# Allegro board gps_interface_boardv51ph_smoothed.brd (continued)
## Routing (per net, layer and track width the routed paths; a pad name or vN(x,y) marks a point on that pad's centre or on a via; arc(x,y) is an arc through that point) (continued)
  SIG w0.203: v1(112.36,54.2) 112.63,53.94 arc(112.8,53.67) 112.86,53.36 112.86,53.26 arc(113.04,52.83) 113.47,52.65 151.08,52.65 arc(151.47,52.73) 151.8,52.95 160.49,61.65 arc(160.69,61.78) 160.92,61.82 195.26,61.82 arc(195.53,61.77) 195.75,61.62 v1(195.99,61.39)
  BOTTOM w0.33: v1(195.99,61.39) 196.38,61.39 arc(196.59,61.43) 196.77,61.55 196.82,61.6 arc(197,61.72) 197.21,61.76 246.32,61.76 arc(246.95,61.89) 247.49,62.24 254.59,69.34 arc(254.95,69.59) 255.38,69.67 279.1,69.67 arc(279.73,69.8) 280.26,70.16 281.66,71.55 arc(282.02,72.09) 282.14,72.72 282.14,79.1 arc(282.19,79.35) 282.33,79.56 v1(282.57,79.8)
CLK_TO_SFP.CLK_TO_SFP_N1: length 185.1
  TOP w0.178: U26.7 260.04,81.91 260.05,81.9 260.05,81.12 260.06,81.11 260.06,81.08
  TOP w0.203: U48.27 116.01,74.38 115.99,74.36
  TOP w0.33: 115.99,74.36 115.99,71.03 arc(115.91,70.6) 115.66,70.24 115.14,69.72 arc(114.78,69.18) 114.66,68.55 114.66,56.83 arc(114.6,56.57) 114.46,56.35 v1(114.22,56.11) ; 260.06,81.08 260.06,80.62 arc(260.11,80.36) 260.25,80.14 v1(260.5,79.9)
  SIG w0.203: v1(114.22,56.11) 114.48,55.84 arc(114.66,55.58) 114.72,55.27 114.72,54.91 arc(114.9,54.48) 115.33,54.31 150.39,54.31 arc(150.78,54.38) 151.11,54.6 160.06,63.55 arc(160.26,63.68) 160.49,63.73 193.84,63.73 arc(194.11,63.68) 194.33,63.53 v1(194.56,63.29)
  BOTTOM w0.33: v1(260.5,79.9) 260.25,79.66 arc(260.11,79.44) 260.06,79.18 260.06,72.85 arc(259.77,72.17) 259.09,71.88 252.38,71.88 arc(251.95,71.8) 251.59,71.55 244.18,64.15 arc(243.65,63.79) 243.02,63.67 195.79,63.67 arc(195.57,63.62) 195.39,63.5 195.35,63.46 arc(195.17,63.34) 194.96,63.29 v1(194.56,63.29)
CLK_TO_SFP.CLK_TO_SFP_N2: length 165.1
  TOP w0.178: U30.7 237.74,81.91 237.74,81.9 237.74,81.12 237.76,81.11 237.76,81.08
  TOP w0.203: 117.49,74.36 117.51,74.38 U48.30
  TOP w0.33: v1(116.12,58.12) 116.36,58.36 arc(116.51,58.58) 116.56,58.83 116.56,68.11 arc(116.68,68.7) 117.01,69.2 117.2,69.39 arc(117.41,69.71) 117.49,70.1 117.49,74.36 ; 237.76,81.08 237.76,80.62 arc(237.81,80.36) 237.95,80.14 v1(238.2,79.9)
  SIG w0.203: v1(116.12,58.12) 116.39,57.85 arc(116.56,57.59) 116.62,57.28 116.62,56.92 arc(116.8,56.49) 117.23,56.31 149.72,56.31 arc(150.11,56.39) 150.44,56.61 159.92,66.09 arc(160.12,66.22) 160.35,66.27 194.88,66.27 arc(195.15,66.22) 195.37,66.07 v1(195.61,65.83)
  BOTTOM w0.33: v1(238.2,79.9) 237.95,79.66 arc(237.81,79.44) 237.76,79.18 237.76,78.1 arc(237.84,77.67) 238.08,77.31 240.56,74.83 arc(240.92,74.29) 241.05,73.66 241.05,68.66 arc(240.92,68.03) 240.56,67.49 239.76,66.69 arc(239.22,66.33) 238.59,66.21 196.83,66.21 arc(196.62,66.16) 196.44,66.04 196.39,66 arc(196.21,65.88) 196,65.83 v1(195.61,65.83)
CLK_TO_SFP.CLK_TO_SFP_N3: length 134.1
  TOP w0.178: U34.7 208.53,81.91 208.53,81.9 208.53,81.12 208.55,81.11 208.55,81.08
  TOP w0.203: U48.34 120.26,76.63 120.28,76.62 120.73,76.62 arc(121.1,76.54) 121.42,76.33
  TOP w0.33: 208.55,81.08 208.55,80.62 arc(208.6,80.36) 208.74,80.14 v1(208.99,79.9) ; 121.42,76.33 121.63,76.11 arc(121.85,75.8) 121.92,75.42 121.92,71.3 arc(121.83,70.87) 121.59,70.51 118.95,67.86 arc(118.59,67.33) 118.47,66.69 118.47,60.59 arc(118.41,60.33) 118.27,60.11 v1(118.03,59.87)
  SIG w0.203: v1(195.05,68.32) 194.81,68.55 arc(194.59,68.7) 194.32,68.76 160.75,68.76 arc(160.51,68.71) 160.31,68.58 150.43,58.69 arc(150.1,58.47) 149.71,58.39 119.14,58.39 arc(118.71,58.57) 118.53,59 118.53,59.03 arc(118.47,59.34) 118.29,59.6 v1(118.03,59.87)
  BOTTOM w0.33: v1(195.05,68.32) 195.44,68.32 arc(195.65,68.37) 195.83,68.49 195.88,68.53 arc(196.06,68.65) 196.27,68.69 209.51,68.69 arc(210.14,68.82) 210.67,69.18 211.38,69.88 arc(211.74,70.42) 211.86,71.05 211.86,73.18 arc(211.74,73.81) 211.38,74.35 208.87,76.85 arc(208.63,77.21) 208.55,77.64 208.55,79.18 arc(208.6,79.44) 208.74,79.66 v1(208.99,79.9)
CLK_TO_SFP.CLK_TO_SFP_N4: length 102.7
  TOP w0.178: 186.25,81.08 186.25,81.11 186.23,81.12 186.23,81.9 186.23,81.91 U38.7
  TOP w0.203: U48.37 119.28,78.16 120,78.16 120.1,78.05 121.47,78.05 121.53,77.99
  TOP w0.33: 186.25,81.08 186.25,80.62 arc(186.3,80.36) 186.44,80.14 v1(186.69,79.9) ; v1(120.16,61.62) 120.4,61.86 arc(120.55,62.08) 120.6,62.34 120.6,66.12 arc(120.68,66.51) 120.9,66.84 123.35,69.29 arc(123.46,69.45) 123.49,69.64 123.49,75.83 arc(123.46,76.01) 123.35,76.17 121.53,77.99
  SIG w0.203: v1(120.16,61.62) 120.43,61.35 arc(120.6,61.09) 120.66,60.78 120.66,60.58 arc(120.84,60.15) 121.27,59.97 149.08,59.97 arc(149.47,60.05) 149.8,60.27 160.2,70.66 arc(160.39,70.79) 160.63,70.84 182.68,70.84 arc(183.07,70.92) 183.4,71.14 185.88,73.63 arc(186.1,73.96) 186.18,74.34 186.18,79.06 arc(186.24,79.37) 186.42,79.63 v1(186.69,79.9)
CLK_TO_SFP.CLK_TO_SFP_N5: length 77.7
  TOP w0.178: U42.7 164.11,81.91 164.11,81.9 164.11,81.12 164.12,81.11 164.12,81.08
  TOP w0.203: U48.41 120.26,80.13 120.28,80.12 121.01,80.12 arc(121.13,80.09) 121.23,80.02 121.35,79.9 122.97,79.9 123.04,79.84
  TOP w0.33: v1(122.78,63.2) 123.02,63.44 arc(123.16,63.66) 123.22,63.91 123.22,65.92 arc(123.29,66.31) 123.51,66.63 124.9,68.02 arc(125.01,68.18) 125.04,68.37 125.04,77.63 arc(125.01,77.82) 124.9,77.97 123.04,79.84 ; v1(164.56,79.9) 164.32,80.14 arc(164.17,80.36) 164.12,80.62 164.12,81.08
  SIG w0.203: v1(122.78,63.2) 123.04,62.93 arc(123.22,62.67) 123.28,62.36 123.28,61.87 arc(123.46,61.44) 123.89,61.26 148.58,61.26 arc(148.96,61.34) 149.29,61.56 163.68,75.95 arc(163.91,76.28) 163.98,76.67 163.98,78.93 arc(164.05,79.29) 164.26,79.6 v1(164.56,79.9)
CLK_TO_SFP.CLK_TO_SFP_P0: length 209.9
  TOP w0.178: 281.6,80.98 281.6,81.8 281.61,81.82 U22.6
  TOP w0.203: U48.24 114.51,74.38 114.52,74.36
  TOP w0.33: v1(281.16,79.8) 281.4,80.04 arc(281.55,80.26) 281.6,80.52 281.6,80.98 ; v1(113.77,54.2) 113.53,54.45 arc(113.39,54.66) 113.33,54.92 113.33,70.05 arc(113.42,70.48) 113.66,70.84 114.04,71.22 arc(114.4,71.75) 114.52,72.38 114.52,74.36
  SIG w0.203: v1(113.77,54.2) 113.48,53.91 arc(113.33,53.68) 113.27,53.4 113.27,53.26 arc(113.33,53.12) 113.47,53.06 151.08,53.06 arc(151.31,53.11) 151.51,53.24 160.2,61.93 arc(160.53,62.15) 160.92,62.23 195.26,62.23 arc(195.53,62.28) 195.75,62.43 v1(195.99,62.66)
  BOTTOM w0.33: v1(281.16,79.8) 281.41,79.55 arc(281.56,79.32) 281.61,79.06 281.61,72.72 arc(281.52,72.29) 281.28,71.93 279.89,70.53 arc(279.52,70.29) 279.1,70.21 255.38,70.21 arc(254.75,70.08) 254.21,69.72 247.11,62.62 arc(246.75,62.38) 246.32,62.29 197.21,62.29 arc(197,62.34) 196.82,62.46 196.77,62.5 arc(196.59,62.62) 196.38,62.66 v1(195.99,62.66)
CLK_TO_SFP.CLK_TO_SFP_P1: length 183.6
  TOP w0.178: 259.52,81.08 259.52,81.9 259.54,81.92 U26.6
  TOP w0.203: 116.52,74.36 116.51,74.38 U48.28
  TOP w0.33: v1(259.08,79.9) 259.33,80.14 arc(259.47,80.36) 259.52,80.62 259.52,81.08 ; v1(115.63,56.11) 115.39,56.35 arc(115.24,56.57) 115.19,56.83 115.19,68.55 arc(115.27,68.98) 115.52,69.34 116.04,69.86 arc(116.4,70.4) 116.52,71.03 116.52,74.36
  SIG w0.203: v1(194.56,64.57) 194.33,64.34 arc(194.11,64.19) 193.84,64.14 160.49,64.14 arc(160.1,64.06) 159.77,63.84 150.83,54.89 arc(150.63,54.76) 150.39,54.71 115.33,54.71 arc(115.19,54.77) 115.13,54.91 115.13,55.27 arc(115.19,55.58) 115.36,55.84 v1(115.63,56.11)
  BOTTOM w0.33: v1(194.56,64.57) 194.96,64.57 arc(195.17,64.53) 195.35,64.41 195.39,64.36 arc(195.57,64.24) 195.79,64.2 243.02,64.2 arc(243.44,64.28) 243.81,64.53 251.21,71.93 arc(251.75,72.29) 252.38,72.42 259.09,72.42 arc(259.4,72.54) 259.52,72.85 259.52,79.18 arc(259.47,79.44) 259.33,79.66 v1(259.08,79.9)
CLK_TO_SFP.CLK_TO_SFP_P2: length 163.6
  TOP w0.178: 237.22,81.08 237.22,81.9 237.24,81.92 U30.6
  TOP w0.203: U48.31 118.01,74.38 118.02,74.36
  TOP w0.33: v1(117.53,58.12) 117.29,58.36 arc(117.15,58.58) 117.09,58.83 117.09,68.11 arc(117.17,68.5) 117.39,68.82 117.57,69.01 arc(117.91,69.51) 118.02,70.1 118.02,74.36 ; 237.22,81.08 237.22,80.62 arc(237.17,80.36) 237.03,80.14 v1(236.78,79.9)
  SIG w0.203: v1(195.61,67.11) 195.37,66.88 arc(195.15,66.73) 194.88,66.67 160.35,66.67 arc(159.96,66.6) 159.63,66.38 150.15,56.9 arc(149.95,56.76) 149.72,56.72 117.23,56.72 arc(117.09,56.78) 117.03,56.92 117.03,57.28 arc(117.09,57.59) 117.27,57.85 v1(117.53,58.12)
  BOTTOM w0.33: v1(195.61,67.11) 196,67.11 arc(196.21,67.07) 196.39,66.95 196.44,66.9 arc(196.62,66.78) 196.83,66.74 238.59,66.74 arc(239.02,66.82) 239.38,67.07 240.19,67.87 arc(240.43,68.23) 240.51,68.66 240.51,73.66 arc(240.43,74.09) 240.19,74.45 237.71,76.93 arc(237.35,77.47) 237.22,78.1 237.22,79.18 arc(237.17,79.44) 237.03,79.66 v1(236.78,79.9)
CLK_TO_SFP.CLK_TO_SFP_P3: length 133.5
  TOP w0.178: U34.6 208.03,81.92 208.01,81.9 208.01,81.08
  TOP w0.203: 121.35,77.15 120.28,77.15 120.26,77.13 U48.35
  TOP w0.33: v1(119.44,59.87) 119.2,60.11 arc(119.05,60.33) 119,60.59 119,66.69 arc(119.08,67.12) 119.33,67.49 121.97,70.13 arc(122.33,70.66) 122.45,71.3 122.45,75.42 arc(122.34,76) 122.01,76.49 121.35,77.15 ; v1(207.57,79.9) 207.82,80.14 arc(207.96,80.36) 208.01,80.62 208.01,81.08
  SIG w0.203: v1(195.05,69.6) 194.81,69.37 arc(194.59,69.22) 194.32,69.16 160.75,69.16 arc(160.36,69.09) 160.03,68.87 150.14,58.98 arc(149.94,58.85) 149.71,58.8 119.14,58.8 arc(119,58.86) 118.94,59 118.94,59.1 arc(118.98,59.34) 119.12,59.55 v1(119.44,59.87)
  BOTTOM w0.33: v1(207.57,79.9) 207.82,79.66 arc(207.96,79.44) 208.01,79.18 208.01,77.64 arc(208.14,77.01) 208.5,76.47 211,73.97 arc(211.24,73.61) 211.33,73.18 211.33,71.05 arc(211.24,70.62) 211,70.26 210.3,69.56 arc(209.93,69.31) 209.51,69.23 196.27,69.23 arc(196.06,69.27) 195.88,69.39 195.83,69.44 arc(195.65,69.56) 195.44,69.6 v1(195.05,69.6)
CLK_TO_SFP.CLK_TO_SFP_P4: length 102.2
  TOP w0.178: 185.71,81.08 185.71,81.9 185.73,81.92 U38.6
  TOP w0.203: 121.82,78.46 120.27,78.46 120.17,78.56 119.33,78.56 U48.38
  TOP w0.33: v1(121.57,61.62) 121.33,61.86 arc(121.18,62.08) 121.13,62.34 121.13,66.12 arc(121.17,66.3) 121.27,66.46 123.73,68.92 arc(123.95,69.25) 124.03,69.64 124.03,75.83 arc(123.95,76.22) 123.73,76.55 121.82,78.46 ; 185.71,81.08 185.71,80.62 arc(185.66,80.36) 185.52,80.14 v1(185.27,79.9)
  SIG w0.203: v1(121.57,61.62) 121.31,61.35 arc(121.13,61.09) 121.07,60.78 121.07,60.58 arc(121.13,60.44) 121.27,60.38 149.08,60.38 arc(149.32,60.42) 149.51,60.55 159.91,70.95 arc(160.24,71.17) 160.63,71.25 182.68,71.25 arc(182.91,71.29) 183.11,71.43 185.6,73.91 arc(185.73,74.11) 185.78,74.34 185.78,79.06 arc(185.71,79.37) 185.54,79.63 v1(185.27,79.9)
CLK_TO_SFP.CLK_TO_SFP_P5: length 77.3
  TOP w0.178: U42.6 163.61,81.92 163.59,81.9 163.59,81.08
  TOP w0.203: 123.41,80.22 123.4,80.24 123.31,80.24 123.23,80.31 122.97,80.31 122.84,80.31 121.52,80.31 121.33,80.49 arc(121.16,80.61) 120.96,80.65 120.28,80.65 120.26,80.63 U48.42
  TOP w0.33: 163.59,81.08 163.59,80.62 arc(163.54,80.36) 163.39,80.14 v1(163.15,79.9) ; 123.41,80.22 125.28,78.35 arc(125.5,78.02) 125.58,77.63 125.58,68.37 arc(125.5,67.98) 125.28,67.65 123.89,66.26 arc(123.79,66.1) 123.75,65.92 123.75,63.91 arc(123.8,63.66) 123.95,63.44 v1(124.19,63.2)
  SIG w0.203: v1(163.15,79.9) 163.38,79.67 arc(163.52,79.45) 163.58,79.19 163.58,76.67 arc(163.53,76.44) 163.4,76.24 149.01,61.85 arc(148.81,61.72) 148.58,61.67 123.89,61.67 arc(123.74,61.73) 123.69,61.87 123.69,62.36 arc(123.75,62.67) 123.92,62.93 v1(124.19,63.2)
CML_SFP_TD_N_SFP INTERFACE_SFP1: length 4.9
  TOP w0.178: R120.2 285.11,83.51 arc(284.82,83.71) 284.48,83.77 U22.10
  TOP w0.33: C141.1 287.19,83.19 arc(287.04,83.22) 286.91,83.3 286.87,83.35 arc(286.74,83.43) 286.59,83.46 286.18,83.46 arc(285.96,83.42) 285.77,83.29 R120.2
CML_SFP_TD_N_SFP INTERFACE_SFP2: length 4.9
  TOP w0.178: R141.2 263.03,83.61 arc(262.74,83.81) 262.4,83.87 U26.10
  TOP w0.33: R141.2 263.69,83.39 arc(263.89,83.52) 264.11,83.57 264.51,83.57 arc(264.66,83.54) 264.79,83.45 264.84,83.4 arc(264.97,83.32) 265.12,83.29 C164.1
CML_SFP_TD_N_SFP INTERFACE_SFP3: length 4.9
  TOP w0.178: R162.2 240.73,83.61 arc(240.44,83.81) 240.1,83.87 U30.10
  TOP w0.33: C187.1 242.82,83.29 arc(242.67,83.32) 242.54,83.4 242.49,83.45 arc(242.36,83.54) 242.21,83.57 241.81,83.57 arc(241.58,83.52) 241.39,83.39 R162.2
CML_SFP_TD_N_SFP INTERFACE_SFP4: length 4.9
  TOP w0.178: U34.10 210.89,83.87 arc(211.23,83.81) 211.52,83.61 R183.2
  TOP w0.33: R183.2 212.18,83.39 arc(212.37,83.52) 212.6,83.57 213,83.57 arc(213.15,83.54) 213.28,83.45 213.33,83.4 arc(213.46,83.32) 213.61,83.29 C210.1
CML_SFP_TD_N_SFP INTERFACE_SFP5: length 4.9
  TOP w0.178: R204.2 189.22,83.61 arc(188.93,83.81) 188.59,83.87 U38.10
  TOP w0.33: C233.1 191.31,83.29 arc(191.16,83.32) 191.03,83.4 190.98,83.45 arc(190.85,83.54) 190.7,83.57 190.3,83.57 arc(190.07,83.52) 189.88,83.39 R204.2
CML_SFP_TD_N_SFP INTERFACE_SFP6: length 4.9
  TOP w0.178: R225.2 167.1,83.61 arc(166.81,83.81) 166.47,83.87 U42.10
  TOP w0.33: R225.2 167.76,83.39 arc(167.95,83.52) 168.18,83.57 168.58,83.57 arc(168.73,83.54) 168.86,83.45 168.9,83.4 arc(169.03,83.32) 169.19,83.29 C256.1
CML_SFP_TD_P_SFP INTERFACE_SFP1: length 4.8
  TOP w0.178: U22.11 285.19,84.27 arc(285.32,84.3) 285.42,84.37 R119.2
  TOP w0.33: C140.1 287.19,84.28 arc(287.04,84.25) 286.91,84.16 286.87,84.11 arc(286.74,84.03) 286.59,84 286.36,84 arc(286.07,84.06) 285.82,84.22 R119.2
CML_SFP_TD_P_SFP INTERFACE_SFP2: length 4.8
  TOP w0.178: U26.11 263.12,84.37 arc(263.24,84.4) 263.35,84.47 R140.2
  TOP w0.33: R140.2 263.74,84.32 arc(263.99,84.16) 264.29,84.1 264.51,84.1 arc(264.66,84.13) 264.79,84.22 264.84,84.26 arc(264.97,84.35) 265.12,84.38 C163.1
CML_SFP_TD_P_SFP INTERFACE_SFP3: length 4.8
  TOP w0.178: U30.11 240.82,84.37 arc(240.94,84.4) 241.05,84.47 R161.2
  TOP w0.33: R161.2 241.44,84.32 arc(241.69,84.16) 241.98,84.1 242.21,84.1 arc(242.36,84.13) 242.49,84.22 242.54,84.26 arc(242.67,84.35) 242.82,84.38 C186.1
CML_SFP_TD_P_SFP INTERFACE_SFP4: length 4.8
  TOP w0.178: U34.11 211.61,84.37 arc(211.73,84.4) 211.84,84.47 R182.2
  TOP w0.33: R182.2 212.23,84.32 arc(212.48,84.16) 212.77,84.1 213,84.1 arc(213.15,84.13) 213.28,84.22 213.33,84.26 arc(213.46,84.35) 213.61,84.38 C209.1
CML_SFP_TD_P_SFP INTERFACE_SFP5: length 4.8
  TOP w0.178: U38.11 189.31,84.37 arc(189.43,84.4) 189.54,84.47 R203.2
  TOP w0.33: R203.2 189.93,84.32 arc(190.18,84.16) 190.47,84.1 190.7,84.1 arc(190.85,84.13) 190.98,84.22 191.03,84.26 arc(191.16,84.35) 191.31,84.38 C232.1
CML_SFP_TD_P_SFP INTERFACE_SFP6: length 4.8
  TOP w0.178: U42.11 167.18,84.37 arc(167.31,84.4) 167.42,84.47 R224.2
  TOP w0.33: R224.2 167.81,84.32 arc(168.06,84.16) 168.35,84.1 168.58,84.1 arc(168.73,84.13) 168.86,84.22 168.9,84.26 arc(169.03,84.35) 169.19,84.38 C255.1
FB_2V5_1: length 2.4
  TOP w0.165: C83.2 47.95,65.1 arc(47.64,65.04) 47.37,64.86 47.29,64.78 arc(47.03,64.6) 46.71,64.54 U12.3
FB_2V5_2: length 5.4
  TOP w0.165: v1(51.1,47.02) 50.92,46.83 arc(50.73,46.7) 50.51,46.66 49.69,46.66 arc(49.42,46.71) 49.2,46.87 49.17,46.89 arc(48.95,47.04) 48.68,47.09 C2690.2 47.95,47.09 arc(47.64,47.03) 47.37,46.85 47.29,46.77 arc(47.03,46.6) 46.71,46.53 U101.3
FB_3V3_1: length 2.4
  TOP w0.165: U9.3 46.68,82.55 arc(47,82.61) 47.27,82.79 47.34,82.87 arc(47.61,83.05) 47.93,83.11 C64.2
FB_3V3_2: length 2.4
  TOP w0.165: C75.2 47.9,97.97 arc(47.59,97.91) 47.32,97.73 47.24,97.65 arc(46.97,97.47) 46.66,97.41 U11.3
FB_5V: length 9.7
  TOP w0.165: U7.3 15.26,69.77 arc(15.58,69.84) 15.85,70.02 15.92,70.09 arc(16.19,70.27) 16.51,70.33 C56.2
  TOP w0.203: C56.2 v1(18.34,70.33)
  BOTTOM w0.203: R47.1 16.42,74.46 16.45,74.43 R46.2 16.74,73.38 arc(16.97,73.33) 17.17,73.2 18.04,72.33 arc(18.26,72) 18.34,71.61 v1(18.34,70.33)
FB_5V5: length 7.7
  TOP w0.203: U6.32 7.21,44.32 arc(6.96,44.37) 6.75,44.51 v1(6.53,44.73)
  BOTTOM w1.016: C51.2 4.15,44.96 4.36,44.74 R41.2 ; R41.2 5.18,45.43 5.16,45.45 R36.1 ; R41.2 5.89,44.74 5.9,44.73 v1(6.53,44.73)
FMC.ACLK_FROM_SFP_N: length 204.1
  TOP w0.203: 139.84,85.34 139.84,85.39 139.9,85.46 139.9,86.52 arc(139.86,86.76) 139.72,86.95 138.64,88.04 arc(138.42,88.37) 138.35,88.75 138.35,89.21 138.3,89.26 U107.11
  TOP w0.33: v1(112.05,10.16) 111.8,9.92 arc(111.66,9.7) 111.61,9.44 111.61,8.98 arc(111.33,8.32) 110.68,8.05 110,8.05 arc(109.61,8.13) 109.28,8.35 107.69,9.94 arc(107.47,10.27) 107.39,10.66 107.39,15.3 arc(107.35,15.49) 107.25,15.64 96.21,26.68 arc(95.99,27.01) 95.91,27.4 95.91,44.11 arc(95.99,44.49) 96.21,44.82 97.49,46.11 arc(97.82,46.33) 98.21,46.41 116.24,46.41 arc(116.63,46.33) 116.96,46.11 122.26,40.81 arc(122.42,40.7) 122.6,40.67 126.15,40.67 arc(126.33,40.7) 126.49,40.81 127.85,42.17 arc(127.95,42.32) 127.99,42.51 127.99,76.94 arc(128.07,77.33) 128.29,77.66 132.76,82.13 arc(133.08,82.35) 133.47,82.42 139.11,82.42 arc(139.3,82.46) 139.46,82.56 139.7,82.81 arc(139.8,82.96) 139.84,83.15 139.84,85.34
  BOTTOM w0.33: 169.54,6.99 169.75,6.78 arc(169.87,6.6) 169.91,6.39 169.91,4.68 arc(169.7,4.15) 169.17,3.94 115.06,3.94 arc(114.63,4.02) 114.27,4.26 111.94,6.6 arc(111.69,6.96) 111.61,7.39 111.61,9.44 arc(111.66,9.7) 111.8,9.92 v1(112.05,10.16)
FMC.ACLK_FROM_SFP_P: length 204.1
  TOP w0.203: 140.37,85.34 140.37,85.39 140.31,85.46 140.31,86.52 arc(140.23,86.91) 140.01,87.24 138.93,88.32 arc(138.8,88.52) 138.75,88.75 138.75,89.21 138.8,89.26 U107.12
  TOP w0.33: 140.37,85.34 140.37,83.15 arc(140.3,82.76) 140.08,82.43 139.83,82.19 arc(139.5,81.97) 139.11,81.89 133.47,81.89 arc(133.29,81.85) 133.13,81.75 128.67,77.28 arc(128.56,77.12) 128.52,76.94 128.52,42.51 arc(128.45,42.12) 128.23,41.79 126.87,40.43 arc(126.54,40.21) 126.15,40.13 122.6,40.13 arc(122.21,40.21) 121.88,40.43 116.58,45.73 arc(116.43,45.84) 116.24,45.87 98.21,45.87 arc(98.03,45.84) 97.87,45.73 96.59,44.45 arc(96.48,44.29) 96.44,44.11 96.44,27.4 arc(96.48,27.22) 96.59,27.06 107.63,16.02 arc(107.85,15.69) 107.92,15.3 107.92,10.66 arc(107.96,10.47) 108.07,10.32 109.66,8.73 arc(109.81,8.62) 110,8.59 110.68,8.59 arc(110.96,8.7) 111.07,8.98 111.07,9.44 arc(111.02,9.7) 110.88,9.92 v1(110.63,10.16)
  BOTTOM w0.33: v1(110.63,10.16) 110.88,9.92 arc(111.02,9.7) 111.07,9.44 111.07,7.39 arc(111.2,6.76) 111.56,6.22 113.89,3.89 arc(114.43,3.53) 115.06,3.4 169.17,3.4 arc(170.07,3.78) 170.45,4.68 170.45,6.39 arc(170.49,6.6) 170.61,6.78 J8.C6
FMC.ACLK_REFCLK_N: length 21.1
  TOP w0.343: Y2.5 181.58,19.54 arc(181.49,19.06) 181.22,18.66 181.06,18.5 arc(180.71,17.98) 180.59,17.36 180.59,16.49 arc(180.29,14.99) 179.44,13.72 179.37,13.65 arc(178.47,12.3) 178.16,10.72 178.16,9.82 arc(178.02,9.16) 177.65,8.61 176.61,7.56 176.61,7.56 arc(176.05,7.19) 175.4,7.06 173.34,7.06 arc(172.71,7.32) 172.45,7.95 172.45,7.98 arc(172.41,8.18) 172.3,8.35 172.24,8.4 arc(172.13,8.58) 172.09,8.78 v1(172.09,9.18)
  BOTTOM w0.33: J8.D5 v1(172.09,9.18)
FMC.ACLK_REFCLK_P: length 19.4
  TOP w0.343: v1(173.35,9.18) 173.35,8.78 arc(173.31,8.58) 173.2,8.4 173.14,8.35 arc(173.03,8.18) 172.99,7.98 172.99,7.95 arc(173.09,7.71) 173.34,7.61 175.4,7.61 arc(175.85,7.7) 176.22,7.95 177.27,8.99 arc(177.52,9.37) 177.61,9.82 177.61,10.72 arc(177.97,12.51) 178.98,14.04 179.05,14.11 arc(179.78,15.2) 180.04,16.49 180.04,17.36 arc(179.92,17.98) 179.57,18.5 179.41,18.66 arc(179.14,19.06) 179.04,19.54 Y2.4
  BOTTOM w0.33: J8.D4 v1(173.35,9.18)
FMC.ACLK_SFP_SCL: length 125.1
  TOP w0.203: v1(137.62,118.8) 137.62,119.05 137.61,119.05 J30.5 ; U104.20 137.29,63.16 arc(137.24,62.89) 137.09,62.67 v1(136.86,62.43) ; v1(109.49,115.63) 105.44,111.58 arc(105.11,111.36) 104.72,111.29 U19.20
  SIG w0.203: v1(137.62,118.8) 137.37,119.04 arc(137.14,119.2) 136.86,119.25 133.75,119.25 arc(133.36,119.18) 133.03,118.96 132.81,118.74 arc(132.48,118.52) 132.09,118.44 129.4,118.44 arc(129.01,118.36) 128.68,118.14 128.16,117.62 arc(127.83,117.4) 127.44,117.32 124.35,117.32 arc(123.96,117.4) 123.63,117.62 122.5,118.75 arc(122.17,118.97) 121.78,119.05 118.53,119.05 arc(118.14,118.97) 117.81,118.75 116.83,117.77 arc(116.5,117.55) 116.11,117.47 115.18,117.47 arc(114.79,117.4) 114.46,117.18 113.21,115.93 arc(112.88,115.71) 112.5,115.63 v1(109.49,115.63)
  BOTTOM w0.203: R102.1 109.1,115.54 arc(109.2,115.61) 109.32,115.63 v1(109.49,115.63) 109.49,103.51 arc(109.56,103.12) 109.78,102.79 113.82,98.75 arc(114.04,98.42) 114.12,98.03 114.12,97.09 arc(114.2,96.7) 114.42,96.37 115.3,95.5 arc(115.52,95.17) 115.6,94.78 TP890.1 115.6,92.48 arc(116,91.51) 116.97,91.11 123.01,91.11 arc(128.08,89.01) 130.18,83.95 130.18,80.61 arc(130.25,80.22) 130.47,79.89 134.73,75.63 arc(134.95,75.3) 135.03,74.92 135.03,69.71 arc(135.1,69.32) 135.32,68.99 136.56,67.76 arc(136.78,67.43) 136.86,67.04 v1(136.86,62.43)
FMC.ACLK_SFP_SDA: length 136
  TOP w0.203: v1(138.41,121.87) J30.4 ; U19.19 103.1,110.64 arc(104.14,110.21) 104.57,109.17 v1(104.57,108.97) ; U104.21 137.79,63.29 arc(137.86,62.95) 138.05,62.67 v1(138.33,62.38)
  SIG w0.203: v1(138.41,121.87) 135.28,125 arc(134.95,125.22) 134.56,125.3 133.03,125.3 arc(132.65,125.38) 132.32,125.6 130.7,127.21 arc(130.37,127.43) 129.98,127.51 113.77,127.51 arc(109.37,125.69) 107.54,121.28 107.54,112.36 arc(107.47,111.97) 107.25,111.64 v1(104.57,108.97)
  BOTTOM w0.203: R103.1 105.57,110.29 arc(105.52,109.99) 105.35,109.74 v1(104.57,108.97) 104.57,106.8 arc(104.65,106.41) 104.87,106.08 112.2,98.75 arc(112.42,98.42) 112.5,98.03 TP880.1 112.5,94.26 arc(113.66,91.44) 116.48,90.27 122.81,90.27 arc(127.59,88.29) 129.57,83.52 129.57,80.54 arc(129.69,79.89) 130.06,79.33 134.12,75.28 arc(134.39,74.86) 134.49,74.37 134.49,62.38 arc(134.79,61.66) 135.51,61.37 137.84,61.37 arc(138.19,61.51) 138.33,61.85 v1(138.33,62.38)
FMC.ACLK_SFP_TX_DIS: length 287.4
  TOP w0.203: v1(192.66,29.49) 192.66,16.94 arc(193.4,15.16) 195.18,14.42 U52.20 ; J30.3 v1(139.21,118.82)
  SIG w0.203: v1(139.21,118.82) 139.21,118.85 arc(138.93,119.53) 138.25,119.81 135.04,119.81 arc(134.65,119.89) 134.32,120.11 132.61,121.83 arc(132.39,122.16) 132.31,122.54 132.31,123.38 arc(132.23,123.77) 132.01,124.1 130.52,125.58 arc(130.19,125.81) 129.8,125.88 114.91,125.88 arc(111.07,124.29) 109.47,120.45 109.47,118.76 arc(109.4,118.37) 109.18,118.04 109.01,117.87 arc(108.79,117.54) 108.71,117.16 108.71,114.57 arc(108.79,114.18) 109.01,113.85 109.18,113.68 arc(109.4,113.35) 109.47,112.96 109.47,103.88 arc(109.4,103.49) 109.18,103.16 104.65,98.63 104.62,98.63 91.92,85.92 arc(91.59,85.7) 91.2,85.62 71.68,85.62 arc(69.67,84.79) 68.83,82.78 68.83,77.22 arc(69.7,75.13) 71.78,74.27 91.37,74.27 arc(91.76,74.19) 92.09,73.97 94.11,71.95 arc(94.44,71.73) 94.83,71.65 96.55,71.65 arc(97.26,71.36) 97.56,70.64 97.56,61.23 arc(97.64,60.84) 97.86,60.51 113.16,45.2 arc(113.49,44.98) 113.88,44.91 181.09,44.91 arc(181.48,44.83) 181.81,44.61 183.55,42.87 arc(183.77,42.54) 183.85,42.15 183.85,33.71 arc(185.08,30.72) 188.06,29.49 v1(192.66,29.49)
FMC.ACLK_TO_SFP_N: length 170.7
  TOP w0.33: v1(188.73,35.08) 188.49,34.83 arc(188.34,34.62) 188.29,34.36 188.29,28.6 arc(188.38,28.17) 188.62,27.81 191.39,25.04 arc(191.75,24.5) 191.87,23.87 191.87,6.88 arc(191.75,6.25) 191.39,5.71 189.21,3.53 arc(188.67,3.17) 188.04,3.05 176.23,3.05 arc(175.36,3.41) 174.99,4.28 174.99,4.84 arc(174.95,5.05) 174.83,5.23 174.79,5.27 arc(174.67,5.45) 174.62,5.66 v1(174.62,6.06) ; v1(152.87,50.47) 152.62,50.71 arc(152.48,50.93) 152.43,51.19 152.43,94.79 arc(152.3,95.43) 151.94,95.96 150.8,97.1 arc(150.27,97.46) 149.63,97.59 143.43,97.59 arc(143,97.67) 142.64,97.91 140.61,99.95 arc(140.37,100.31) 140.28,100.74 140.28,110.46 140.41,110.59 J30.19
  SIG w0.203: v1(188.73,35.08) 188.46,35.34 arc(188.29,35.61) 188.23,35.92 188.23,42.75 arc(188.15,43.13) 187.93,43.46 183.25,48.14 arc(182.92,48.36) 182.53,48.44 153.49,48.44 arc(153.26,48.48) 153.06,48.62 152.54,49.14 arc(152.41,49.33) 152.36,49.57 152.36,49.66 arc(152.42,49.94) 152.58,50.18 v1(152.87,50.47)
  BOTTOM w0.33: J8.C3 v1(174.62,6.06)
FMC.ACLK_TO_SFP_P: length 169.1
  TOP w0.33: v1(151.45,50.47) 151.7,50.71 arc(151.84,50.93) 151.89,51.19 151.89,94.79 arc(151.81,95.22) 151.56,95.59 150.42,96.73 arc(150.06,96.97) 149.63,97.05 143.43,97.05 arc(142.8,97.18) 142.26,97.54 140.23,99.57 arc(139.87,100.11) 139.75,100.74 139.75,110.46 139.61,110.59 J30.18 ; v1(187.32,35.08) 187.56,34.83 arc(187.71,34.62) 187.76,34.36 187.76,28.6 arc(187.88,27.97) 188.24,27.43 191.01,24.66 arc(191.25,24.3) 191.34,23.87 191.34,6.88 arc(191.25,6.45) 191.01,6.09 188.83,3.91 arc(188.47,3.67) 188.04,3.58 176.23,3.58 arc(175.73,3.79) 175.53,4.28 175.53,4.84 arc(175.57,5.05) 175.69,5.23 175.73,5.27 arc(175.85,5.45) 175.9,5.66 v1(175.9,6.06)
  SIG w0.203: v1(187.32,35.08) 187.58,35.34 arc(187.76,35.61) 187.82,35.92 187.82,42.75 arc(187.77,42.98) 187.64,43.18 182.97,47.85 arc(182.77,47.99) 182.53,48.03 153.49,48.03 arc(153.1,48.11) 152.77,48.33 152.25,48.85 arc(152.03,49.18) 151.96,49.57 151.96,49.63 arc(151.89,49.94) 151.72,50.2 v1(151.45,50.47)
  BOTTOM w0.33: J8.C2 v1(175.9,6.06)
FMC.AUXOUT0_N: length 164.2
  TOP w0.33: P2.7 281.66,55.06 arc(281.58,54.67) 281.36,54.34 280.93,53.9 arc(280.57,53.36) 280.44,52.73 280.44,49.28 arc(280.36,48.85) 280.11,48.49 276.68,45.06 arc(276.32,44.81) 275.89,44.73 259.16,44.73 arc(258.73,44.81) 258.37,45.06 254.59,48.84 arc(254.05,49.2) 253.42,49.33 173.38,49.33 arc(172.75,49.2) 172.21,48.84 157.68,34.32 arc(157.33,33.78) 157.2,33.15 157.2,15.4 arc(157.33,14.77) 157.68,14.23 158.16,13.76 arc(158.4,13.4) 158.48,12.97 158.48,12.36 arc(158.44,12.14) 158.32,11.97 158.28,11.92 arc(158.16,11.74) 158.12,11.53 v1(158.12,11.14)
  BOTTOM w0.33: J8.G16 v1(158.12,11.14)
